# KiCad board poly_kb.kicad_pcb (continued)
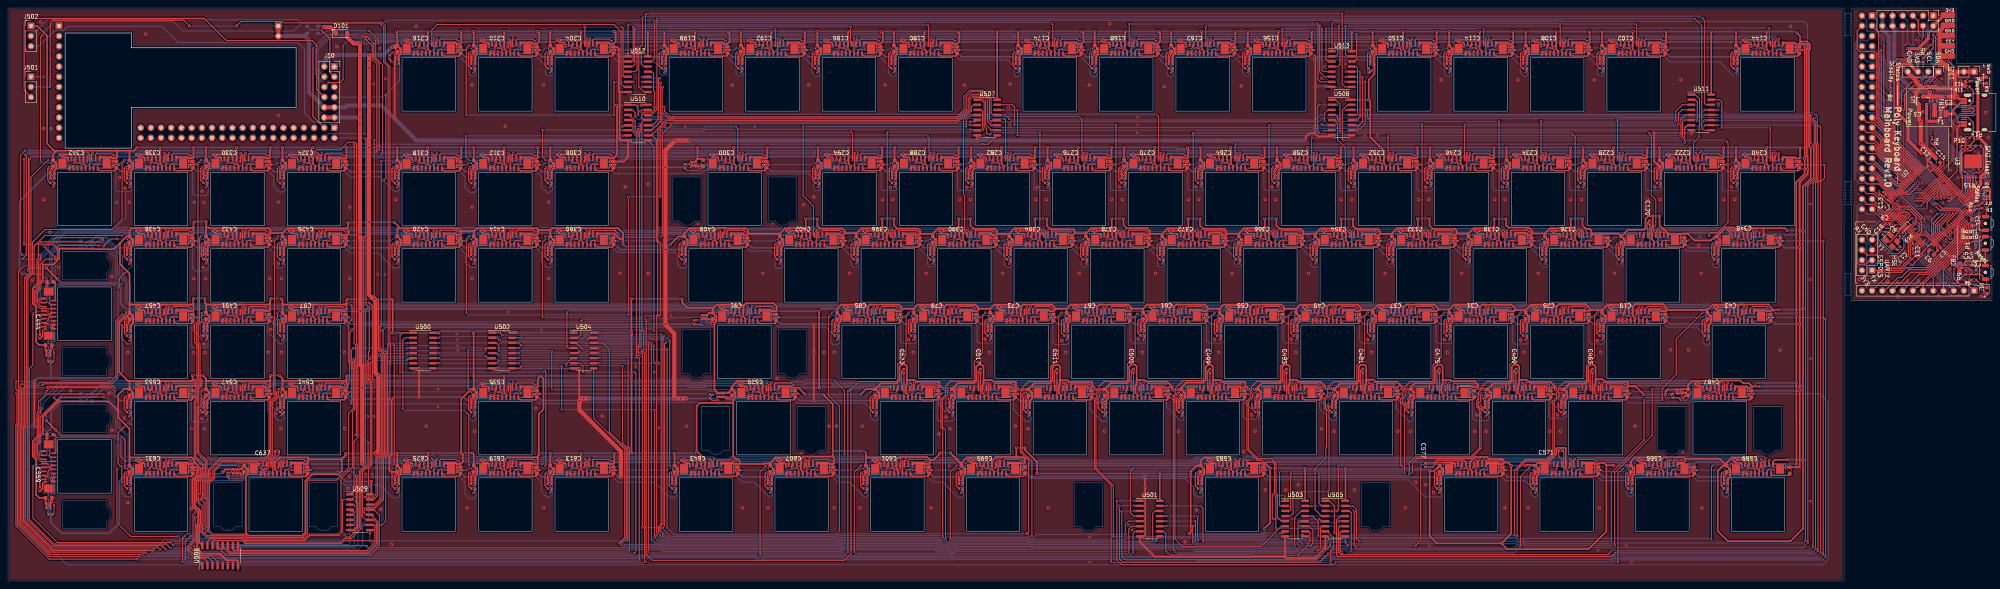
[diagram p0: board, top side]
## Routing (per net, layer and track width the routed paths; a pad name or vN(x,y) marks a point on that pad's centre or on a via; arc(x,y) is an arc through that point) (continued)
/Keyboard/sheet6069AA36/LED_DIN: length 17.5
  Top w0.254: v2(206.97,84.3) 207.46,84.79 v2(208.65,84.79)
  Bottom w0.254: LED_150.4 217.75,86.15 214.39,86.15 213.52,85.29 210.66,85.29 210.17,84.79 v2(208.65,84.79) 208.71,84.79 ; v2(206.97,84.3) 206.61,83.94 LED_151.2
/Keyboard/sheet6069AA37/LED_DIN: length 22.2
  Top w0.254: v2(183.16,84.3) 183.65,84.79 v2(184.84,84.79)
  Bottom w0.254: LED_151.4 198.7,86.15 195.34,86.15 194.47,85.29 191.55,85.29 191.05,84.79 v2(184.84,84.79) 184.9,84.79 ; v2(183.16,84.3) 182.8,83.94 LED_152.2
/Keyboard/sheet6069AA38/LED_DIN: length 32.5
  Top w0.254: v2(151.5,84.79) 150.42,84.79 149.83,84.21 v2(149.83,84.18)
  Bottom w0.254: 151.56,84.79 v2(151.5,84.79) 161.61,84.79 162.5,83.9 163.15,83.9 164.54,85.29 167.23,85.29 ; 167.23,85.29 167.2,85.25 ; 167.23,85.29 167.97,86.02 173.14,86.02 173.17,86.05 174.06,86.05 174.09,86.02 175.02,86.02 LED_152.4 ; v2(149.83,84.18) 149.59,83.94 LED_144.2
/Keyboard/sheet6069AA39/LED_DIN: length 17.5
  Top w0.254: v2(113.4,84.79) 112.32,84.79 111.73,84.21 v2(111.73,84.19)
  Bottom w0.254: 114.85,85.29 114.81,85.25 ; 114.85,85.29 118.56,85.29 119.3,86.03 120.78,86.03 120.81,86.05 121.7,86.05 121.7,86.05 122.6,86.05 LED_153.4 ; 114.85,85.29 114.35,84.79 v2(113.4,84.79) 113.46,84.79 ; v2(111.73,84.19) 111.48,83.94 LED_154.2
/Keyboard/sheet6062721A/LED_DIN: length 17.5
  Top w0.254: v2(235.54,103.35) 236.03,103.84 v2(237.23,103.84)
  Bottom w0.254: LED_131.4 246.32,105.2 242.96,105.2 242.1,104.34 239.24,104.34 238.74,103.84 v2(237.23,103.84) 237.29,103.84 ; v2(235.54,103.35) 235.18,102.99 LED_132.2
/Keyboard/sheet6062721B/LED_DIN: length 17.5
  Top w0.254: v2(216.49,103.35) 216.98,103.84 v2(218.18,103.84)
  Bottom w0.254: LED_132.4 227.27,105.2 223.91,105.2 223.05,104.34 220.16,104.34 219.67,103.84 v2(218.18,103.84) 218.24,103.84 ; v2(216.49,103.35) 216.13,102.99 LED_133.2
/Keyboard/sheet6062721C/LED_DIN: length 27
  Top w0.254: v2(187.92,103.35) 188.41,103.84 v2(189.6,103.84)
  Bottom w0.254: LED_133.4 208.22,105.2 204.86,105.2 204,104.34 201.14,104.34 200.64,103.84 v2(189.6,103.84) 189.66,103.84 ; v2(187.92,103.35) 187.56,102.99 LED_134.2
/Keyboard/sheet6062721D/LED_DIN: length 36.5
  Top w0.254: v2(149.82,103.35) 150.31,103.84 v2(151.5,103.84)
  Bottom w0.254: 151.56,103.84 v2(151.5,103.84) 152.86,105.2 179.65,105.2 LED_134.4 ; v2(149.82,103.35) 149.46,102.99 LED_135.2
/Keyboard/sheet6062721E/LED_DIN: length 17.5
  Top w0.254: v2(130.77,103.3) 131.26,103.79 v2(132.45,103.79)
  Bottom w0.254: LED_135.4 141.55,105.2 138.19,105.2 137.32,104.34 133.9,104.34 ; 133.9,104.34 133.86,104.3 ; 133.9,104.34 133.35,103.79 v2(132.45,103.79) 132.51,103.79 ; v2(130.77,103.3) 130.41,102.94 LED_136.2
/Keyboard/sheet6062721F/LED_DIN: length 17.5
  Top w0.254: v2(111.72,103.3) 112.21,103.79 v2(113.4,103.79)
  Bottom w0.254: LED_136.4 122.5,105.15 119.14,105.15 118.27,104.29 114.85,104.29 ; 114.85,104.29 114.81,104.25 ; 114.85,104.29 114.35,103.79 v2(113.4,103.79) 113.46,103.79 ; v2(111.72,103.3) 111.36,102.94 LED_137.2
/Keyboard/sheet60627210/LED_DIN: length 17.5
  Top w0.254: v2(408.66,103.84) 407.48,103.84 v2(406.99,103.35)
  Bottom w0.254: LED_121.4 417.77,105.2 414.41,105.2 413.55,104.34 410.74,104.34 410.24,103.84 v2(408.66,103.84) 408.74,103.84 ; v2(406.99,103.35) 406.63,102.99 LED_122.2
/Keyboard/sheet60627211/LED_DIN: length 17.5
  Top w0.254: v2(387.94,103.35) 388.43,103.84 v2(389.63,103.84)
  Bottom w0.254: LED_122.4 398.72,105.2 395.36,105.2 394.5,104.34 391.39,104.34 390.9,103.84 v2(389.63,103.84) 389.69,103.84 ; v2(387.94,103.35) 387.58,102.99 LED_123.2
/Keyboard/sheet60627212/LED_DIN: length 17.5
  Top w0.254: v2(368.89,103.35) 369.38,103.84 v2(370.58,103.84)
  Bottom w0.254: LED_123.4 379.67,105.2 376.31,105.2 375.45,104.34 372.52,104.34 372.03,103.84 v2(370.58,103.84) 370.64,103.84 ; v2(368.89,103.35) 368.53,102.99 LED_125.2
/Keyboard/sheet60627213/LED_DIN: length 17.5
  Top w0.254: v2(426.04,103.35) 426.53,103.84 v2(427.73,103.84)
  Bottom w0.254: 427.79,103.84 v2(427.73,103.84) 429.15,103.84 429.65,104.34 432.6,104.34 433.46,105.2 436.82,105.2 LED_124.4 ; v2(426.04,103.35) 425.68,102.99 LED_121.2
/Keyboard/sheet60627214/LED_DIN: length 17.5
  Top w0.254: v2(349.84,103.35) 350.33,103.84 v2(351.53,103.84)
  Bottom w0.254: LED_125.4 360.62,105.2 357.26,105.2 356.4,104.34 353.54,104.34 353.04,103.84 v2(351.53,103.84) 351.59,103.84 ; v2(349.84,103.35) 349.48,102.99 LED_126.2
/Keyboard/sheet60627215/LED_DIN: length 17.5
  Top w0.254: v2(330.79,103.35) 331.32,103.88 v2(332.45,103.88)
  Bottom w0.254: LED_126.4 341.57,105.2 338.21,105.2 337.35,104.34 334.34,104.34 333.87,103.88 v2(332.45,103.88) 332.57,103.88 ; v2(330.79,103.35) 330.43,102.99 LED_127.2
/Keyboard/sheet60627216/LED_DIN: length 17.5
  Top w0.254: v2(311.74,103.35) 312.23,103.84 v2(313.43,103.84)
  Bottom w0.254: LED_127.4 322.52,105.2 319.16,105.2 318.3,104.34 315.3,104.34 314.8,103.84 v2(313.43,103.84) 313.49,103.84 ; v2(311.74,103.35) 311.38,102.99 LED_128.2
/Keyboard/sheet60627217/LED_DIN: length 17.5
  Top w0.254: v2(292.69,103.35) 293.18,103.84 v2(294.38,103.84)
  Bottom w0.254: LED_128.4 303.47,105.2 300.11,105.2 299.25,104.34 296.49,104.34 295.99,103.84 v2(294.38,103.84) 294.44,103.84 ; v2(292.69,103.35) 292.33,102.99 LED_129.2
/Keyboard/sheet60627218/LED_DIN: length 17.5
  Top w0.254: v2(273.64,103.35) 274.13,103.84 v2(275.33,103.84)
  Bottom w0.254: LED_129.4 284.42,105.2 281.06,105.2 280.2,104.34 277.04,104.34 276.55,103.84 v2(275.33,103.84) 275.39,103.84 ; v2(273.64,103.35) 273.28,102.99 LED_130.2
/Keyboard/sheet60627219/LED_DIN: length 17.5
  Top w0.254: v2(254.59,103.35) 255.08,103.84 v2(256.28,103.84)
  Bottom w0.254: LED_130.4 265.37,105.2 262.01,105.2 261.15,104.34 258.41,104.34 257.92,103.84 v2(256.28,103.84) 256.34,103.84 ; v2(254.59,103.35) 254.23,102.99 LED_131.2
/Keyboard/sheet60634442/LED_DIN: length 27
  Top w0.254: v2(83.14,103.3) 83.63,103.79 v2(84.83,103.79)
  Bottom w0.254: 84.89,103.79 v2(84.83,103.79) 95.3,103.79 95.8,104.29 99.22,104.29 100.09,105.15 103.45,105.15 LED_137.4 ; v2(83.14,103.3) 82.78,102.94 LED_138.2
/Keyboard/sheet60634443/LED_DIN: length 17.5
  Top w0.254: v2(64.09,103.35) 64.58,103.84 v2(65.78,103.84)
  Bottom w0.254: 65.84,103.84 v2(65.78,103.84) 66.78,103.84 67.22,104.29 70.65,104.29 71.51,105.15 74.87,105.15 LED_138.4 ; v2(64.09,103.35) 63.73,102.99 LED_139.2
/Keyboard/sheet60634444/LED_DIN: length 17.5
  Top w0.254: v2(45.04,103.35) 45.53,103.84 v2(46.73,103.84)
  Bottom w0.254: LED_139.4 55.82,105.2 52.46,105.2 51.6,104.34 47.22,104.34 v2(46.73,103.84) 46.79,103.84 ; v2(45.04,103.35) 44.68,102.99 LED_140.2
/Keyboard/sheet60634445/LED_DIN: length 18.2
  Top w0.254: v2(26,103.35) 26.49,103.84 v2(27.68,103.84)
  Bottom w0.254: LED_140.4 36.77,105.2 33.41,105.2 32.55,104.34 28.17,104.34 v2(27.68,103.84) 27.74,103.84 28.22,104.33 ; v2(26,103.35) 25.63,102.99 LED_141.2
/Keyboard/sheet60634446/LED_DIN: length 501.1
  Top w0.254: v2(8.1,104.33) 8.1,135.6 v2(8.56,136.06) ; v2(445.09,131.93) 445.58,132.42 v2(446.76,132.42)
  Bottom w0.254: LED_108.2 444.73,131.57 v2(445.09,131.93) ; LED_141.4 17.73,105.2 14.36,105.2 13.5,104.34 8.1,104.34 v2(8.1,104.33) ; 446.84,132.42 v2(446.76,132.42) 447.64,132.42 448.1,132.88 448.1,138.57 447.12,139.55 387.15,139.55 386.9,139.8 162.14,139.8 162.05,139.7 161.38,139.7 161.2,139.88 160.66,139.88 160.61,139.82 94.33,139.82 93.31,138.81 92.77,138.81 92.61,138.97 72.89,138.97 71.06,137.13 43.58,137.13 41.17,139.54 11.61,139.54 8.56,136.49 v2(8.56,136.06)
/Keyboard/sheet60760264/LED_DIN: length 22.1
  Top w0.254: v2(416.52,84.3) 417.01,84.79 v2(418.2,84.79)
  Bottom w0.254: 418.26,84.79 v2(418.2,84.79) 418.7,85.29 427.84,85.29 428.57,86.02 430.28,86.02 430.28,86.02 431.17,86.02 431.17,86.02 432.19,86.02 LED_142.4 ; v2(416.52,84.3) 416.16,83.94 LED_104.2
ADC1_IN1: length 18.8
  Top w0.292: v2(475.42,81.64) 475.54,81.76 475.54,83.92 U2.23
  Bottom w0.292: v2(475.42,81.64) 475.42,81.47 483.31,73.59 485.85,73.59 J4.2
ADC1_IN2: length 17.3
  Top w0.292: v2(483.45,74.43) 483.45,73.44 484.51,72.39 ; U2.24 477.38,85.04 v2(477.38,85.07)
  Bottom w0.292: v2(477.38,85.07) 476.89,84.58 476.89,80.86 483.31,74.43 v2(483.45,74.43)
BOOT0: length 27.9
  Top w0.292: SW1.1 491.19,84.71 R1.2 489.23,84.71 v2(488.99,84.47) ; U2.94 477.22,90.23 v2(477.22,89.59)
  Bottom w0.292: v2(477.22,89.59) 482.33,84.47 v2(488.99,84.47)
BOOT1: length 25.4
  Top w0.292: SW2.1 492.64,91.11 R3.2 493.58,93.91 493.58,97.89 493.25,98.22 491.85,98.22 491.49,97.86 v2(491.49,97.42) ; v2(484.16,86.79) 484.16,86.82 U2.37
  Bottom w0.292: v2(491.49,97.42) 485.91,91.84 485.91,88.54 v2(484.16,86.79)
ESP01_EN: length 21.3
  Top w0.292: J5.6 462.92,81.28 465.27,81.28 468.58,77.96 471.1,77.96 473.69,80.55 473.69,82.74 473.69,82.74 473.69,84.48 473.55,84.62 473.55,85.44 473.69,85.58 473.69,85.58 473.82,85.71 473.82,85.73 U2.18
ESP01_IO0: length 27.1
  Top w0.292: 462.33,78.81 461.07,78.81 460.45,79.44 460.45,86.3 462.03,87.88 v2(464.19,87.88) ; v2(472,91.35) 471.86,91.21 471.86,90.84 U2.8 ; 462.41,78.87 464.19,80.65
  Bottom w0.292: v2(464.19,87.88) 465.36,87.88 468.53,91.05 471.69,91.05 v2(472,91.35)
ESP01_IO2: length 19.5
  Top w0.292: U2.9 472.35,90.62 472.35,90.78 v2(472.8,91.23)
  Bottom w0.292: 464.19,83.19 464.19,83.31 462.99,84.51 462.99,87.65 463.87,88.53 464.79,88.53 467.92,91.67 471.35,91.67 471.69,92 472.45,92 472.8,91.66 v2(472.8,91.23)
ESP01_RST: length 23.7
  Top w0.292: v2(470.79,78.61) 473.2,81.03 473.2,82.54 473.2,82.54 473.2,84.28 473.06,84.42 473.06,85.64 473.2,85.78 473.2,85.79 473.33,85.92 473.33,85.94 U2.17
  Bottom w0.292: 461.65,80.65 461.65,79.88 462.84,78.69 462.84,76.27 463.17,75.95 464.95,75.95 467.61,78.61 v2(470.79,78.61)
FLASH_NHOLD: length 11.9
  Top w0.292: U3.7 489.97,99.56 R15.2 490.22,98.99 489.6,98.38 489.6,95.83 487.53,93.76 487.14,93.76 485.74,95.15 485.74,95.53 U2.55
FLASH_NWP: length 16.7
  Top w0.292: R14.2 489.58,109.73 488.7,108.84 U3.3 487.98,107.77 486.73,107.77 486.03,107.06 486.03,101.98 486.66,101.35 486.66,97.15 U2.56
HSE_IN: length 8.5
  Top w0.292: C16.1 467.63,85.54 Y1.1 468.13,84.52 468.62,84.52 470.24,86.14 470.24,86.39 U2.12
HSE_OUT: length 1.7
  Top w0.292: U2.13 471.78,87.23 471.78,86.85
I2C1_SCL: length 38
  Top w0.292: v2(471.49,118.4) 471.49,121.91 v2(473.94,124.36) ; U2.92 471.91,96.94 472.81,96.94 v2(475.03,99.16) ; 478.28,126.62 476.42,124.76 v2(476.24,124.76)
  Bottom w0.292: v2(473.94,124.36) 475.84,124.36 v2(476.24,124.76) ; v2(471.49,118.4) 471.32,118.23 471.32,102.87 v2(475.03,99.16)
I2C1_SDA: length 41.6
  Top w0.292: v2(471.98,117.48) 472.29,117.79 472.29,121.25 v2(474.58,123.54) ; v2(478.62,124.29) 478.62,124.41 480.82,126.62 ; v2(475.59,98.53) 473.51,96.45 471.7,96.45 U2.93
  Bottom w0.292: v2(471.98,117.48) 471.98,103.15 475.89,99.24 475.89,98.84 v2(475.59,98.53) ; v2(474.58,123.54) 475.98,123.54 477.19,124.75 478.16,124.75 v2(478.62,124.29)
I2C2_SCL: length 47.7
  Top w0.292: v2(480.03,93.42) 480.98,92.47 485.58,92.47 U2.47
  Bottom w0.292: J7.13 465.19,125.73 469.91,121.01 469.91,103.18 475.21,97.88 476.03,97.88 479.36,94.56 479.69,94.56 480.03,94.21 v2(480.03,93.42)
I2C2_SDA: length 50.3
  Top w0.292: U2.48 485.79,92.96 481.56,92.96 480.37,94.15 479.64,94.15 v2(479.34,93.85)
  Bottom w0.292: J7.14 462.99,124.39 464.76,124.39 468.13,121.01 469.21,121.01 469.42,120.8 469.42,102.93 474.95,97.39 475.82,97.39 479.34,93.87 v2(479.34,93.85)
I2C3_SCL: length 40.2
  Top w0.292: v2(475.5,95.44) 476.8,95.44 480.54,99.18 480.91,99.18 U2.67
  Bottom w0.292: v2(475.5,95.44) 474.74,95.44 471.5,98.68 469.6,98.68 467.35,100.92 467.35,117.49 J7.17
I2C3_SDA: length 43.4
  Top w0.292: v2(475.05,94.77) 476.82,94.77 480.74,98.69 481.12,98.69 U2.66
  Bottom w0.292: J7.18 462.84,119.45 464.61,119.45 466.86,117.21 466.86,100.72 469.39,98.18 471.3,98.18 474.72,94.77 v2(475.05,94.77)
K_0: length 105.5
  Top w0.254: v2(156.16,115.8) 156.16,116.76 155.44,117.48 U510.2 ; J140.10 248.4,114.97 v2(248.14,115.23)
  Bottom w0.254: v2(248.14,115.23) 247.71,115.23 247.6,115.34 165.93,115.34 165.62,115.04 156.92,115.04 v2(156.16,115.8)
K_1: length 18
  Top w0.254: 419.17,121.29 420.14,121.29 421.21,120.22 421.21,113.5 421.1,113.39 421.1,110.69 419.72,109.31 419.72,105.48 J130.10
K_2: length 36.2
  Top w0.254: v2(420.65,114.79) 420.65,119.52 420.14,120.02 419.17,120.02 ; J131.10 400.8,114.98 v2(400.76,115.02)
  Bottom w0.254: v2(420.65,114.79) 420.24,115.2 400.94,115.2 v2(400.76,115.02)
K_3: length 50
  Top w0.254: J132.10 381.75,114.62 v2(381.74,114.63) ; 419.17,118.75 416.9,118.75 415.26,117.12 v2(415.26,114.63)
  Bottom w0.254: v2(381.74,114.63) 381.91,114.46 415.09,114.46 v2(415.26,114.63)
K_4: length 68.1
  Top w0.254: J134.10 v2(362.7,113.93) ; v2(415.95,113.98) 415.95,116.61 416.82,117.48 419.17,117.48
  Bottom w0.254: v2(362.7,113.93) 415.9,113.93 v2(415.95,113.98)
K_5: length 85.7
  Top w0.254: v2(416.4,111.1) 416.58,111.28 416.58,115.16 417.63,116.21 419.17,116.21 ; J135.10 v2(343.65,111.06)
  Bottom w0.254: v2(416.4,111.1) 415.97,111.1 415.92,111.05 389.09,111.05 389.07,111.06 v2(343.65,111.06)
K_6: length 104
  Top w0.254: v2(416.96,110.49) 416.97,110.49 416.97,114.53 417.38,114.94 419.17,114.94 ; v2(324.66,110.54) 324.6,110.48 J136.10
  Bottom w0.254: v2(416.96,110.49) 324.71,110.49 v2(324.66,110.54)
K_7: length 121.1
  Top w0.254: 419.17,113.67 418.19,113.67 417.53,113.01 v2(417.53,109.34) ; J137.10 305.55,108.65 v2(305.82,108.92)
  Bottom w0.254: v2(305.82,108.92) 417.1,108.92 v2(417.53,109.34)
K_8: length 142.5
  Top w0.254: v2(286.21,116.08) 286.5,115.79 J138.10 ; U510.15 157.82,117.48 v2(157.45,117.12)
  Bottom w0.254: v2(157.45,117.12) 158.77,115.81 165.3,115.81 165.88,116.38 285.9,116.38 v2(286.21,116.08)
K_9: length 125.8
  Top w0.254: v2(267.03,115.52) 267.45,115.1 J139.10 ; v2(156.87,116.28) 156.87,118.16 156.28,118.75 U510.1
  Bottom w0.254: v2(156.87,116.28) 157.73,115.42 165.46,115.42 165.86,115.82 266.73,115.82 v2(267.03,115.52)
K_A: length 136
  Top w0.254: U505.1 329.02,20 330.28,18.74 330.28,12.12 v2(330.25,12.09) ; v2(395.74,66.89) 395.07,66.22 395.07,55.75 393.04,53.72 393.04,50.09 392.64,49.69 387.64,49.69 386.1,48.14 386.1,47.49 385.63,47.01 385.63,45.83 384.68,44.88 384.68,31.98 383.02,30.32 377.82,30.32 375.11,27.61 v2(375.11,11.46) ; J13.10 405.56,66.52 v2(405.33,66.28)
  Bottom w0.254: v2(395.74,66.89) 396.24,67.39 401.63,67.39 401.63,67.39 402.84,67.39 402.84,67.39 404.49,67.39 405.33,66.55 v2(405.33,66.28) ; v2(330.25,12.09) 330.87,11.46 v2(375.11,11.46)
K_B: length 50.8
  Top w0.254: v2(319.6,47.23) 319.84,47.47 J34.10 ; U503.5 317.07,14.92 316.11,15.88 316.11,21.58 315.75,21.94 315.75,29.45 314.69,30.51 311.27,30.51 308.86,32.92 308.86,44.71 309.88,45.73 v2(309.88,46.96)
  Bottom w0.254: v2(309.88,46.96) 310.57,46.96 311.89,48.28 318.89,48.28 319.6,47.57 v2(319.6,47.23)
K_BacckSl: length 121.7
  Top w0.254: v2(176.72,85.33) 176.96,85.57 J152.10 ; v2(239.6,114.53) 240.95,114.53 241.37,114.94 ; v2(162.59,85.87) 162.95,86.24 162.95,111.47 v2(165.11,113.64)
  Bottom w0.254: v2(165.11,113.64) 166,114.53 v2(239.6,114.53) ; v2(176.72,85.33) 176.72,85.67 175.99,86.41 174.25,86.41 174.22,86.43 173.01,86.43 172.99,86.41 163.12,86.41 v2(162.59,85.87)
K_BackSp: length 38.6
  Top w0.254: v2(181.25,113.29) 181.72,112.82 J143.10 ; v2(152.93,113.31) 153.24,113.61 154.31,113.61 154.37,113.67
  Bottom w0.254: v2(181.25,113.29) 173.59,113.29 172.99,112.69 163.46,112.69 162.83,113.33 160.37,113.33 160.35,113.31 v2(152.93,113.31)
K_C: length 71.5
  Top w0.254: v2(357.7,47.23) 357.94,47.47 J31.10 ; v2(347.72,26.9) 347.72,43.83 347.27,44.28 347.27,45.41 348,46.14 v2(348,47.02) ; v2(319.4,26.82) 319.4,17.78 319.09,17.46 U503.3
  Bottom w0.254: v2(319.4,26.82) 325.96,26.82 326.2,27.05 326.74,27.05 326.89,26.9 v2(347.72,26.9) ; v2(357.7,47.23) 357.7,47.56 356.97,48.28 355.68,48.28 355.56,48.16 349.7,48.16 348.56,47.02 v2(348,47.02)
K_CapsLk: length 155
  Top w0.254: v2(431.51,66.28) 431.76,66.52 J17.10 ; v2(336.47,9.88) 335.79,10.56 335.79,17.82 334.88,18.73 U505.15 ; v2(411.94,45.09) 411.94,48.01 415.42,51.49 415.42,60.37 v2(421.93,66.89) ; v2(399.24,9.88) 399.24,26.97 407.39,35.13 v2(407.39,45.03)
  Bottom w0.254: v2(431.51,66.28) 431.51,66.56 430.69,67.38 426.04,67.38 425.55,66.89 v2(421.93,66.89) ; v2(336.47,9.88) 375.5,9.88 375.89,10.27 377.38,10.27 377.77,9.88 v2(399.24,9.88) ; v2(411.94,45.09) 411.89,45.03 v2(407.39,45.03)
K_Colon: length 215.9
  Top w0.254: v2(233.87,66.28) 234.11,66.52 J23.10 ; v2(142.98,65.2) 142.65,64.87 142.65,61.44 141.85,60.64 U504.2 ; v2(224.29,66.89) 223.62,66.22 223.62,56.15 221.56,54.09 221.56,50.17 221.13,49.73 211.94,49.73 209.91,47.7 209.91,6.71 208.36,5.16 160.43,5.16 158.9,6.68 v2(158.9,65.28)
  Bottom w0.254: v2(158.9,65.28) 143.05,65.28 v2(142.98,65.2) ; v2(233.87,66.28) 233.87,66.61 233.12,67.36 231.4,67.36 231.37,67.38 230.16,67.38 230.13,67.36 224.76,67.36 v2(224.29,66.89)
K_CtxMenu: length 134.1
  Top w0.25: 280.14,11.84 280.68,12.38 U501.7
  Top w0.254: v2(198.15,28.18) 198.39,28.42 J53.10 ; v2(280.14,7.14) 280.14,11.84 ; v2(187.27,6.39) 187.27,27.27 v2(188.67,28.67)
  Bottom w0.254: v2(187.27,6.39) 187.35,6.47 234.94,6.47 235.21,6.73 279.73,6.73 v2(280.14,7.14) ; v2(198.15,28.18) 198.15,28.51 197.35,29.31 189.31,29.31 v2(188.67,28.67)
K_D: length 87.8
  Top w0.254: v2(329.67,17.42) 329.63,17.46 U505.3 ; v2(330.89,17.45) 331.19,17.75 331.24,17.75 331.27,17.78 v2(331.27,28.55) ; J15.10 367.46,66.51 v2(367.27,66.32) ; v2(347.12,28.55) 346.81,28.85 346.81,45.49 347.36,46.04 347.36,47.17 347.76,47.57 347.76,48.33 349.14,49.71 354.63,49.71 354.86,49.94 354.86,53.8 356.87,55.8 356.87,66.12 v2(357.64,66.89)
  Bottom w0.254: v2(330.89,17.45) 329.69,17.45 v2(329.67,17.42) ; v2(357.64,66.89) 361.25,66.89 361.73,67.36 363.51,67.36 363.53,67.39 364.74,67.39 364.74,67.39 366.44,67.39 367.27,66.56 v2(367.27,66.32) ; v2(347.12,28.55) 346.94,28.72 331.44,28.72 v2(331.27,28.55)
K_Del: length 188.3
  Top w0.254: v2(143.38,85.33) 143.62,85.57 J110.10 ; v2(162.13,66.07) 162.43,66.37 162.43,84.28 161.82,84.89 161.82,112.26 162.92,113.36 v2(163.62,113.36) ; v2(133.8,85.94) 133.8,85.1 133.06,84.37 v2(133.06,65.77) ; v2(239.52,113.65) 241.34,113.65 241.37,113.67
  Bottom w0.254: v2(163.62,113.36) 163.9,113.08 165.38,113.08 166.26,113.96 239.21,113.96 v2(239.52,113.65) ; v2(133.06,65.77) 158.57,65.77 158.86,66.07 v2(162.13,66.07) ; v2(133.8,85.94) 137.92,85.94 138.39,86.41 139.62,86.41 139.63,86.42 140.84,86.42 140.85,86.41 142.63,86.41 143.38,85.66 v2(143.38,85.33)
K_DOWN: length 61.2
  Top w0.254: v2(124.33,28.18) 124.57,28.42 J55.10 ; v2(98.32,42.91) 98.32,60.08 98.88,60.64 U500.2 ; v2(114.27,41.87) 114.75,41.39 v2(114.75,28.79)
  Bottom w0.254: v2(114.27,41.87) 113.61,42.53 98.7,42.53 v2(98.32,42.91) ; v2(114.75,28.79) 115.27,29.31 123.53,29.31 124.33,28.51 v2(124.33,28.18)
K_E: length 56.8
  Top w0.254: J107.10 352.64,86.83 352.64,87.25 352.12,87.77 v2(352.12,113.92) ; v2(327.76,114.81) 327.76,116.59 328.65,117.48 U508.3
  Bottom w0.254: v2(327.76,114.81) 328.65,113.92 v2(352.12,113.92)
K_End: length 204.6
  Top w0.254: v2(124.33,85.33) 124.57,85.57 J153.10 ; v2(239.57,112.53) 241.23,112.53 241.37,112.4 ; v2(114.75,85.94) 114.12,85.3 114.12,66.89 v2(114.09,66.87) ; v2(162.79,112.42) 162.38,112.02 v2(162.38,95.87) ; v2(154.48,66.36) v2(154.48,95.82)
  Bottom w0.254: v2(239.57,112.53) 239.45,112.65 173.59,112.65 173.11,112.17 163.03,112.17 v2(162.79,112.42) ; v2(124.33,85.33) 124.33,85.67 123.57,86.44 121.86,86.44 121.86,86.44 120.65,86.44 120.64,86.44 115.68,86.44 115.18,85.94 v2(114.75,85.94) ; v2(162.38,95.87) 162.34,95.82 v2(154.48,95.82) ; v2(154.48,66.36) 114.6,66.36 v2(114.09,66.87)
K_Enter: length 57
  Top w0.254: v2(183.86,66.28) 184.11,66.52 J25.10 ; v2(139.16,66.94) 139.16,58.46 139.52,58.1 U504.4
  Bottom w0.254: v2(183.86,66.28) 183.86,66.62 183.13,67.36 181.39,67.36 181.37,67.38 180.16,67.38 180.13,67.36 139.57,67.36 v2(139.16,66.94)
K_ESC: length 118.6
  Top w0.254: v2(333.04,138.4) 333.04,131.38 333.61,130.82 U513.15 ; v2(438.58,137.87) 438.58,134.24 J117.10
  Bottom w0.254: v2(333.04,138.4) 386.05,138.4 386.59,137.87 v2(438.58,137.87)
K_F: length 73
  Top w0.254: J16.10 348.41,66.5 v2(348.23,66.31) ; U505.4 327.07,16.19 325.48,17.78 325.48,28.02 328.14,30.68 328.14,33.27 328.31,33.44 328.31,42.35 327.68,42.99 327.68,45.46 328.54,46.31 328.54,47.61 328.65,47.73 328.65,48.32 330.02,49.69 335.66,49.69 335.89,49.91 335.89,53.8 337.82,55.73 337.82,66.12 v2(338.59,66.89)
  Bottom w0.254: v2(348.23,66.31) 348.23,66.55 347.42,67.36 345.63,67.36 345.62,67.37 344.41,67.37 344.41,67.36 339.06,67.36 v2(338.59,66.89)
K_F1: length 87.9
  Top w0.254: v2(405.18,138.89) 405.56,138.51 J102.10 ; v2(329.69,138.96) 329.69,132.15 U513.1
  Bottom w0.254: v2(405.18,138.89) 387.27,138.89 386.74,139.41 330.14,139.41 v2(329.69,138.96)
K_F2: length 69.2
  Top w0.254: U513.2 330.61,130.82 331.11,131.32 331.11,133.8 331.37,134.06 v2(331.37,138.38) ; v2(386.44,138.85) 386.51,138.78 J103.10
  Bottom w0.254: v2(331.37,138.38) 331.96,138.97 386.32,138.97 v2(386.44,138.85)
K_F3: length 52.5
  Top w0.254: v2(328.17,137.77) 328.17,130.03 328.65,129.55 U513.3 ; J104.10 367.46,137.74 v2(367.44,137.77)
  Bottom w0.254: v2(328.17,137.77) 332.7,137.77 332.7,137.77 v2(367.44,137.77)
K_F4: length 25.7
  Top w0.25: U513.4 331.18,128.28 331.18,128.29 331.67,128.78 v2(331.67,133.53)
  Top w0.254: v2(348.17,132.95) 348.41,133.19 J118.10
  Bottom w0.254: 343.14,134.17 343.04,134.17 ; 343.14,134.17 347.3,134.17 348.17,133.3 v2(348.17,132.95) ; 343.14,134.17 342.81,134.17 342.17,133.53 v2(331.67,133.53)
K_F5: length 26.7
  Top w0.254: v2(327.18,137.71) 327.18,127.38 327.55,127.01 U513.5 ; v2(317.3,137.74) 317.3,137.74 J119.10
  Bottom w0.254: v2(317.3,137.74) 327.15,137.74 v2(327.18,137.71)
K_F6: length 48
  Top w0.254: U513.6 327.83,125.74 326.62,126.95 326.62,138.33 v2(326.75,138.46) ; v2(298.25,138.25) 298.25,138.25 J120.10
  Bottom w0.254: v2(326.75,138.46) 298.45,138.46 v2(298.25,138.25)
K_F7: length 69.6
  Top w0.254: v2(326.03,139.06) 326.19,138.91 326.19,125.02 326.74,124.47 U513.7 ; v2(279.22,138.89) 279.2,138.86 J121.10
  Bottom w0.254: v2(279.22,138.89) 325.86,138.89 v2(326.03,139.06)
K_F8: length 115.3
  Top w0.254: J122.10 260.15,138.78 v2(259.94,138.99) ; v2(160.93,139.32) 160.93,130.19 160.29,129.55 U512.15
  Bottom w0.254: v2(160.93,139.32) 259.61,139.32 v2(259.94,138.99)
K_F9: length 87.4
  Top w0.254: U512.1 154.38,130.83 v2(154.38,138.68) ; v2(229.13,138.66) 229.19,138.6 J123.10
  Bottom w0.254: v2(229.13,138.66) 229.1,138.68 161.23,138.68 161.2,138.66 160.54,138.66 160.51,138.68 v2(154.38,138.68)
K_F10: length 68.3
  Top w0.254: v2(209.8,138.12) 209.8,134.26 J124.10 ; v2(155.68,138.12) 155.68,129.88 155.34,129.55 U512.2
  Bottom w0.254: v2(209.8,138.12) 209.63,138.3 161.39,138.3 161.36,138.27 160.35,138.27 160.32,138.3 155.85,138.3 v2(155.68,138.12)
K_F11: length 49.5
  Top w0.254: J125.10 191.09,137.72 v2(191.11,137.74) ; v2(156.25,137.66) 156.06,137.47 156.06,128.83 155.51,128.28 U512.3
  Bottom w0.254: v2(156.25,137.66) 156.33,137.74 v2(191.11,137.74)
K_F12: length 25.6
  Top w0.254: v2(171.8,132.95) 172.04,133.19 J126.10 ; U512.4 156.12,127.01 156.62,127.51 v2(156.62,133.17)
  Bottom w0.254: 166.77,134.17 166.67,134.17 ; 166.77,134.17 166.71,134.11 166.38,134.11 165.74,133.47 156.93,133.47 v2(156.62,133.17) ; 166.77,134.17 166.83,134.11 170.99,134.11 171.8,133.3 v2(171.8,132.95)
K_G: length 89.2
  Top w0.254: v2(329.12,66.28) 329.36,66.52 J18.10 ; 315.02,29.63 312.66,29.63 312.17,30.12 311.11,30.12 308.48,32.76 308.48,44.87 309.32,45.71 309.32,47.23 309.6,47.51 309.6,48.37 311.02,49.78 316.56,49.78 316.81,50.04 316.81,53.62 318.8,55.6 318.8,66.14 v2(319.54,66.89) ; 315.02,29.63 315.02,29.58 315.37,29.24 315.37,21.99 314.83,21.45 314.83,15.75 v2(315.13,15.44) ; 315.02,29.63 315.06,29.59 ; U505.5 326.99,14.92 v2(326.49,15.42)
  Bottom w0.254: v2(326.49,15.42) 326.47,15.44 v2(315.13,15.44) ; v2(319.54,66.89) 320.01,67.36 325.39,67.36 325.4,67.38 326.61,67.38 326.63,67.36 328.37,67.36 329.12,66.61 v2(329.12,66.28)
K_H: length 121.9
  Top w0.254: v2(310.07,66.28) 310.31,66.52 J19.10 ; U505.6 327.07,13.65 326.81,13.4 326.81,8.09 v2(326.06,7.34) ; v2(300.49,66.89) 299.72,66.12 299.72,56.77 297.79,54.84 297.79,50.42 297.36,49.99 292.58,49.99 290.63,48.04 290.63,46.72 290.07,46.16 290.07,45.23 290.17,45.13 290.17,7.75 v2(290.63,7.29)
  Bottom w0.254: v2(290.63,7.29) 290.94,6.98 309.79,6.98 309.83,6.93 321.11,6.93 321.22,7.04 325.76,7.04 v2(326.06,7.34) ; v2(300.49,66.89) 300.96,67.36 306.29,67.36 306.29,67.36 307.5,67.36 307.51,67.36 309.34,67.36 310.07,66.62 v2(310.07,66.28)
K_Hanja: length 127.5
  Top w0.254: v2(364.84,28.18) 365.08,28.42 J48.10 ; v2(277.34,17.4) 277.34,6.12 278.19,5.27 325.76,5.27 329.18,8.7 v2(329.18,9.34) ; v2(350.43,8.76) 351.79,10.11 v2(351.79,29.01) ; U501.3 280.53,17.46 v2(280.49,17.42)
  Bottom w0.254: v2(350.43,8.76) 350.25,8.93 334.45,8.93 333.81,9.58 329.42,9.58 v2(329.18,9.34) ; v2(277.34,17.4) 277.37,17.42 v2(280.49,17.42) ; v2(351.79,29.01) 359.1,29.01 359.38,29.29 361.18,29.29 364.05,29.29 364.84,28.51 v2(364.84,28.18)
